# KiCad board pi50.kicad_pcb (continued)
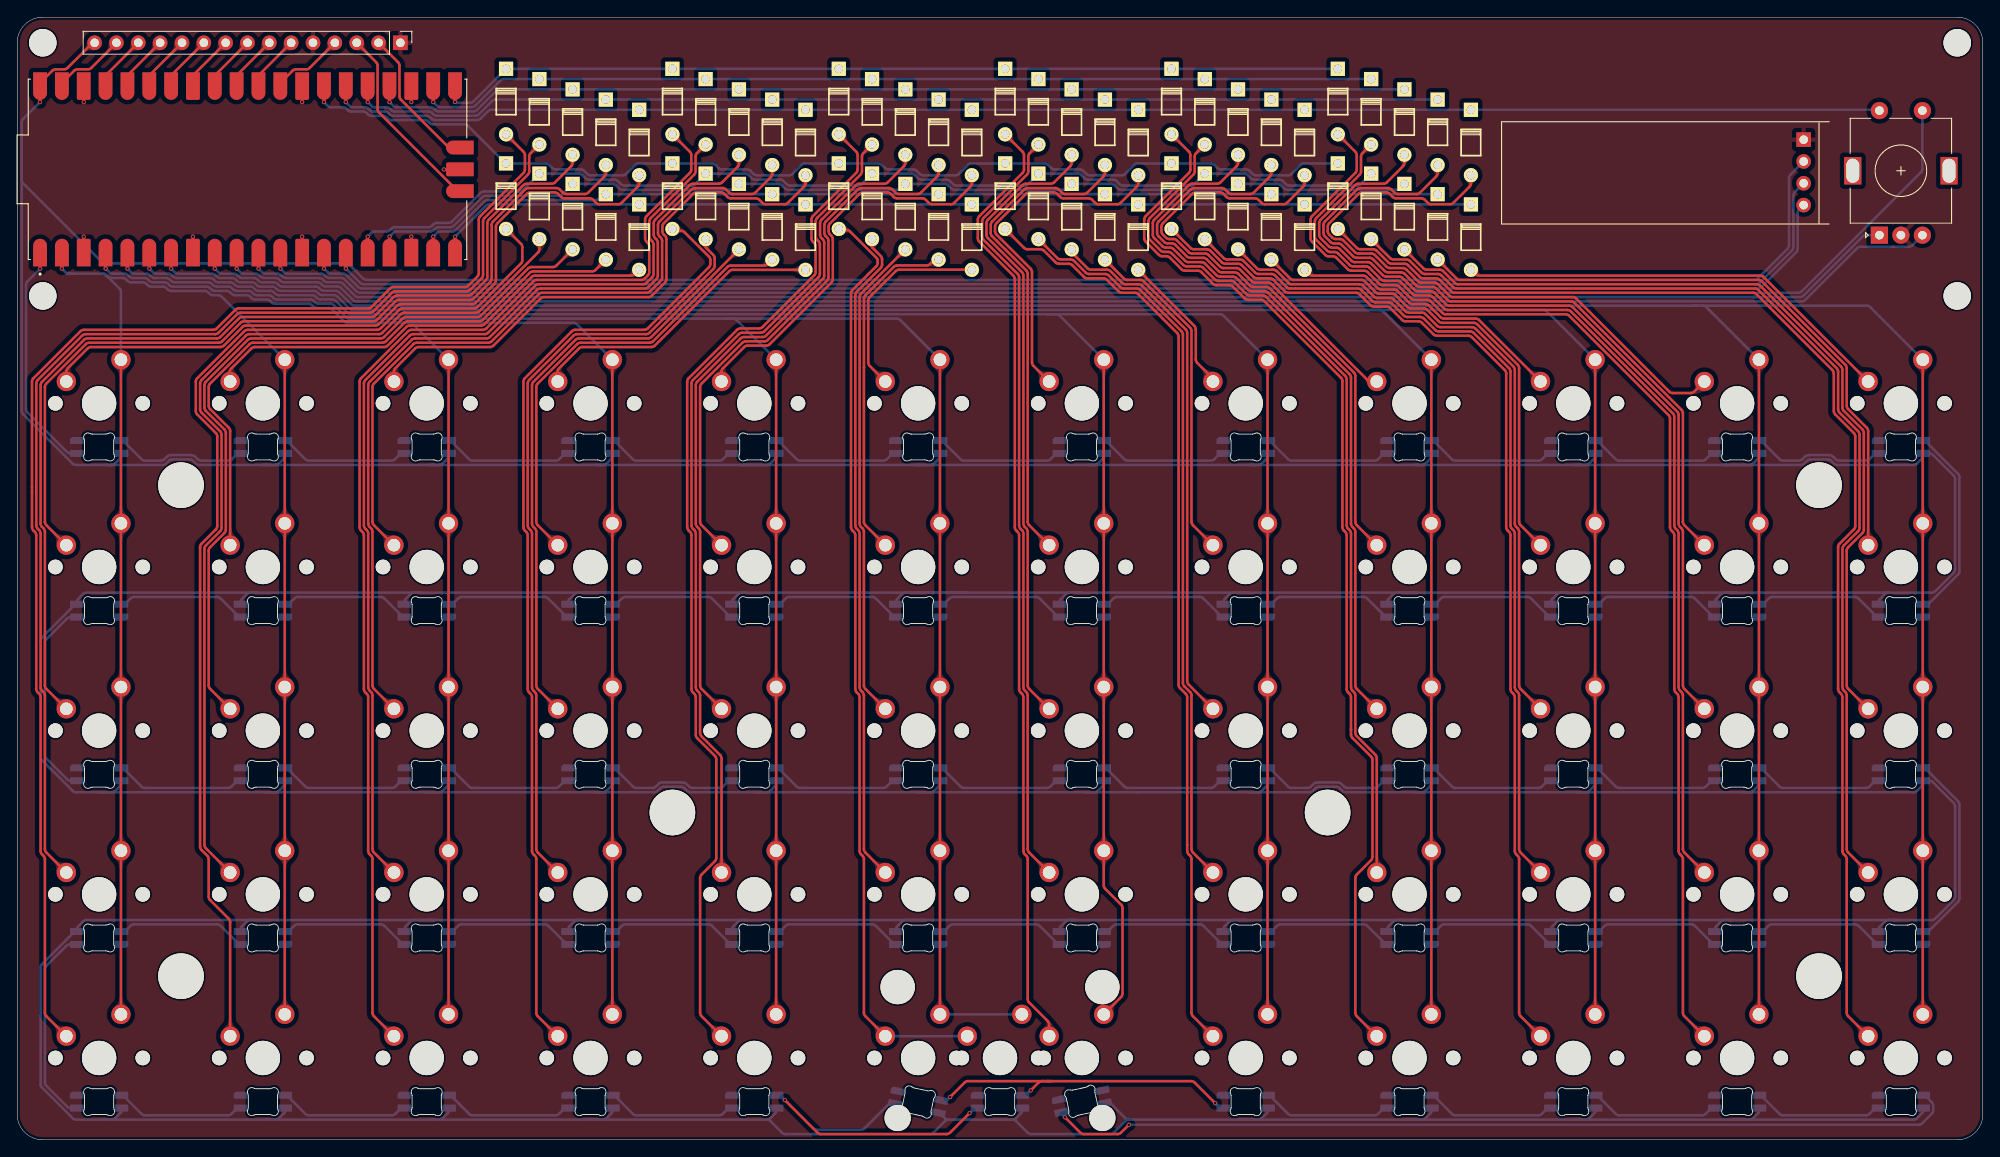
[diagram p0: board, top side]
## Text on the board (continued)
B.Silkscreen: SWCLK | SWDIO | R2 C0 | R8 C0 | R0 C0 | R4 C0 | R6 C0 | R3 C0 | R9 C0 | R5 C0 | R1 C0 | R7 C0 | R2 C1 | R4 C1 | R8 C1 | R0 C1 | R6 C1 | R3 C1 | R5 C1 | R9 C1 | R1 C1 | R7 C1 | R2 C2 | R4 C2 | R8 C2 | R0 C2 | R6 C2 | R3 C2 | R5 C2 | R1 C2 | R7 C2 | R9 C2 | R2 C3 | R4 C3 | R0 C3 | R6 C3 | R3 C3 | R5 C3 | R9 C3 | R1 C3 | R7 C3 | R8 C4 | R2 C4 | R4 C4 | R0 C4 | R6 C4 | R3 C4 | R5 C4 | R9 C4 | R1 C4 | R7 C4 | R0 C5 | R2 C5 | R4 C5 | R6 C5 | R8 C5 | GND | VBUS | SCL | SDA | R1 C5 | R3 C5 | R5 C5 | R7 C5 | R9 C5 | R0 C6 | VSYS | 3V3 EN | 3V3 | ADC VREF | GP28 | AGND | GP27 | GP26 | RUN | GP22 | R8 C3 | π50 v1.0 by 1upkeyboards.com
